# Altium PCB Board.PcbDoc (part 2 of 15) (continued)
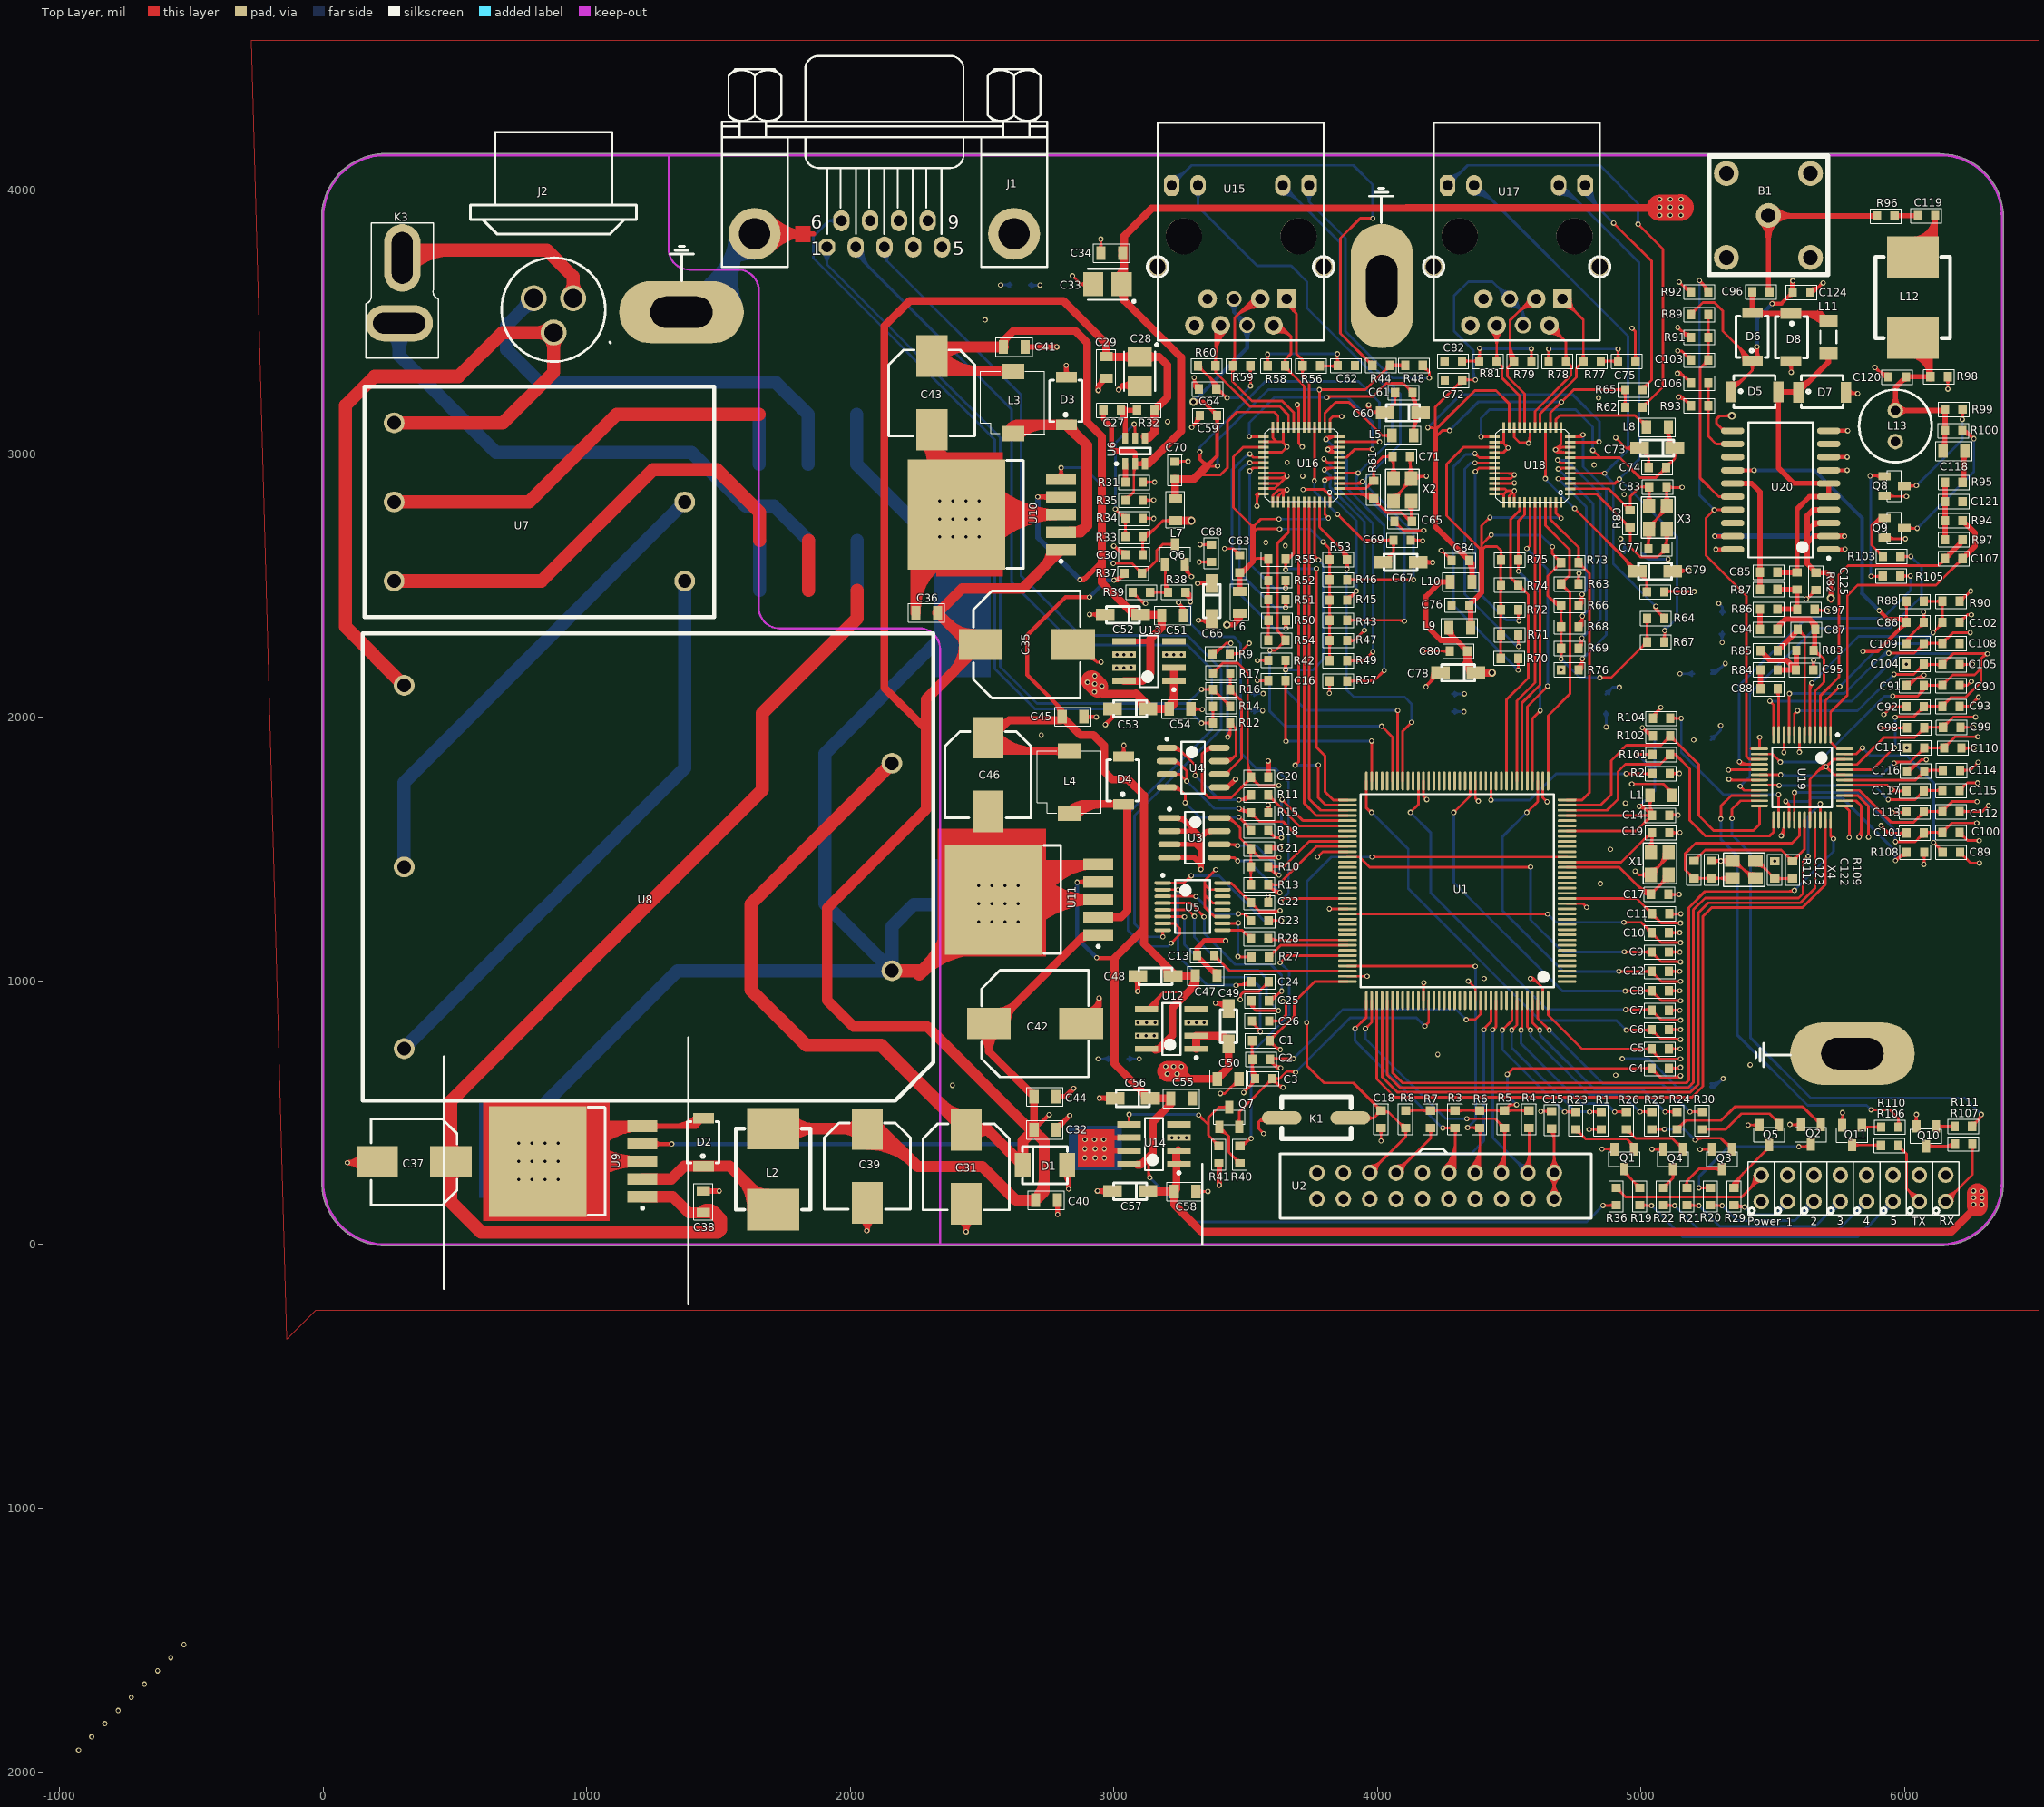
[diagram p0: Top Layer view]
## Nets (pads, with @x,y where several pads share a name; then routed paths per layer and width w, separated by ;. In a path a pad name is that pad's centre, name@x,y a point inside that pad or via, vN(x,y) a via of type N, cw(c..) or ccw(c..) an arc to the next point about the centre after c; other vN are vias at no path point) (continued)
  Top Layer w30: C70.1@3231.6,2904.45 C70.1@3232.6,2903.45 ; L7.2@3232.6,2829.13 C70.1@3232.6,2903.45 ; 3352.6,2953.45 3319.6,2920.45 3302.6,2903.45 C70.1@3232.6,2903.45
  Bottom Layer w10: v1(3325.6,3007.45) 3325.6,3025.45 3574.6,3274.45 3928.6,3274.45 4007.6,3195.45 v1(4007.6,3045.45) ; v1(3393.6,2953.45) 3393.6,3051.45 3585.6,3243.45 v1(3779.6,3243.45) ; v1@3322.06,3010.98 ccw(c3313.53,3019.52) 3325.6,3019.52 ; v1@3322.06,3010.98 ccw(c3313.53,3019.52) 3325.6,3019.52 ; v1@3322.06,3010.98 ccw(c3313.53,3019.52) 3325.6,3019.52 ; 3325.6,3019.52 ccw(c3337.67,3019.52) v1@3329.13,3010.98 ; 3325.6,3019.52 ccw(c3337.67,3019.52) v1@3329.13,3010.98 ; 3325.6,3019.52 ccw(c3337.67,3019.52) v1@3329.13,3010.98 ; v1@3390.06,2956.98 ccw(c3381.53,2965.52) 3393.6,2965.52 ; v1@3390.06,2956.98 ccw(c3381.53,2965.52) 3393.6,2965.52 ; v1@3390.06,2956.98 ccw(c3381.53,2965.52) 3393.6,2965.52 ; 3393.6,2965.52 ccw(c3405.67,2965.52) v1@3397.13,2956.98 ; 3393.6,2965.52 ccw(c3405.67,2965.52) v1@3397.13,2956.98 ; 3393.6,2965.52 ccw(c3405.67,2965.52) v1@3397.13,2956.98 ; 3767.53,3243.45 cw(c3767.53,3231.38) v1@3776.06,3239.91 ; 3767.53,3243.45 ccw(c3767.53,3255.52) v1@3776.06,3246.98 ; 3767.53,3243.45 cw(c3767.53,3231.38) v1@3776.06,3239.91 ; 3767.53,3243.45 ccw(c3767.53,3255.52) v1@3776.06,3246.98 ; 3767.53,3243.45 ccw(c3767.53,3255.52) v1@3776.06,3246.98 ; 3767.53,3243.45 cw(c3767.53,3231.38) v1@3776.06,3239.91 ; v1@4004.06,3048.98 ccw(c3995.53,3057.52) 4007.6,3057.52 ; v1@4004.06,3048.98 ccw(c3995.53,3057.52) 4007.6,3057.52 ; v1@4004.06,3048.98 ccw(c3995.53,3057.52) 4007.6,3057.52 ; 4007.6,3057.52 ccw(c4019.67,3057.52) v1@4011.13,3048.98 ; 4007.6,3057.52 ccw(c4019.67,3057.52) v1@4011.13,3048.98 ; 4007.6,3057.52 ccw(c4019.67,3057.52) v1@4011.13,3048.98
  Bottom Layer w15: v2(3301.6,3197.45) 3505.35,3401.21 U15.4@3505.35,3487.8 3455.35,3537.8 ; U15.5@3455.35,3587.8 3455.35,3537.8 ; v2@3301.6,3204.95 ccw(c3301.6,3223.06) 3314.4,3210.25 ; v2@3301.6,3204.95 ccw(c3301.6,3223.06) 3314.4,3210.25 ; v2@3301.6,3204.95 ccw(c3301.6,3223.06) 3314.4,3210.25 ; v2@3309.1,3197.45 cw(c3327.2,3197.45) 3314.4,3210.25 ; v2@3309.1,3197.45 cw(c3327.2,3197.45) 3314.4,3210.25 ; v2@3309.1,3197.45 cw(c3327.2,3197.45) 3314.4,3210.25 ; U15.5@3440.49,3571.54 cw(c3409.63,3537.8) 3455.35,3537.8 ; U15.5@3440.49,3571.54 cw(c3409.63,3537.8) 3455.35,3537.8 ; U15.5@3440.49,3571.54 cw(c3409.63,3537.8) 3455.35,3537.8 ; 3455.35,3537.8 cw(c3501.08,3537.8) U15.5@3470.22,3571.54 ; 3455.35,3537.8 cw(c3501.08,3537.8) U15.5@3470.22,3571.54 ; 3455.35,3537.8 cw(c3501.08,3537.8) U15.5@3470.22,3571.54 ; 3467.75,3525.4 cw(c3430.15,3487.8) U15.4@3483.33,3487.8 ; 3467.75,3525.4 ccw(c3505.35,3563) U15.4@3505.35,3509.82 ; 3467.75,3525.4 cw(c3430.15,3487.8) U15.4@3483.33,3487.8 ; 3467.75,3525.4 ccw(c3505.35,3563) U15.4@3505.35,3509.82 ; 3467.75,3525.4 ccw(c3505.35,3563) U15.4@3505.35,3509.82 ; 3467.75,3525.4 cw(c3430.15,3487.8) U15.4@3483.33,3487.8 ; U15.4@3489.78,3472.22 cw(c3452.18,3434.62) 3505.35,3434.62 ; U15.4@3489.78,3472.22 cw(c3452.18,3434.62) 3505.35,3434.62 ; U15.4@3489.78,3472.22 cw(c3452.18,3434.62) 3505.35,3434.62 ; 3505.35,3434.62 cw(c3558.53,3434.62) U15.4@3520.93,3472.22 ; 3505.35,3434.62 cw(c3558.53,3434.62) U15.4@3520.93,3472.22 ; 3505.35,3434.62 cw(c3558.53,3434.62) U15.4@3520.93,3472.22
3V3A2: C72.1 C84.1 L10.2 R62.2 R65.2 U17.4 U17.5 U18.11 U18.15 U18.23 | length 6698
  Top Layer w10: v1(4190.6,3099.45) 4208.6,3099.45 4218.6,3089.45 ; 4218.6,3066.45 4223.6,3066.45 4245.6,3088.45 v1(4273.6,3088.45) ; v1(4371.6,3280.45) 4322.6,3280.45 C72.1@4321.6,3279.45 4218.6,3176.45 4218.6,3089.45 ; U18.23@4499.02,3099.72 4499.02,3191.03 4449.6,3240.45 4369.6,3240.45 4218.6,3089.45 ; U18.15@4656.5,3099.72 4656.5,3155.35 v1(4697.6,3196.45) 4744.6,3243.45 R65.2@4939.6,3243.45 R62.2@4939.6,3176.45 ; U18.11@4731.6,3044.31 v1@4840.6,3044.31 ; v1@4194.13,3095.91 cw(c4202.67,3087.38) 4202.67,3099.45 ; v1@4194.13,3095.91 cw(c4202.67,3087.38) 4202.67,3099.45 ; v1@4194.13,3095.91 cw(c4202.67,3087.38) 4202.67,3099.45 ; v1@4194.13,3102.98 ccw(c4202.67,3111.52) 4202.67,3099.45 ; v1@4194.13,3102.98 ccw(c4202.67,3111.52) 4202.67,3099.45 ; v1@4194.13,3102.98 ccw(c4202.67,3111.52) 4202.67,3099.45 ; 4261.53,3088.45 cw(c4261.53,3076.38) v1@4270.06,3084.91 ; 4261.53,3088.45 ccw(c4261.53,3100.52) v1@4270.06,3091.98 ; 4261.53,3088.45 cw(c4261.53,3076.38) v1@4270.06,3084.91 ; 4261.53,3088.45 ccw(c4261.53,3100.52) v1@4270.06,3091.98 ; 4261.53,3088.45 ccw(c4261.53,3100.52) v1@4270.06,3091.98 ; 4261.53,3088.45 cw(c4261.53,3076.38) v1@4270.06,3084.91 ; 4299.89,3257.74 cw(c4321.6,3236.03) C72.1@4321.6,3266.73 ; 4299.89,3257.74 cw(c4321.6,3236.03) C72.1@4321.6,3266.73 ; 4299.89,3257.74 cw(c4321.6,3236.03) C72.1@4321.6,3266.73 ; 4304.64,3262.49 ccw(c4289.65,3277.48) C72.1@4310.85,3277.48 ; 4304.64,3262.49 ccw(c4289.65,3277.48) C72.1@4310.85,3277.48 ; 4304.64,3262.49 ccw(c4289.65,3277.48) C72.1@4310.85,3277.48 ; C72.1@4329.2,3273.82 cw(c4345.21,3257.81) 4345.21,3280.45 ; C72.1@4329.2,3273.82 cw(c4345.21,3257.81) 4345.21,3280.45 ; C72.1@4329.2,3273.82 cw(c4345.21,3257.81) 4345.21,3280.45 ; C72.1@4329.2,3289.02 ccw(c4349.88,3309.7) 4349.88,3280.45 ; C72.1@4329.2,3289.02 ccw(c4349.88,3309.7) 4349.88,3280.45 ; C72.1@4329.2,3289.02 ccw(c4349.88,3309.7) 4349.88,3280.45 ; 4359.53,3280.45 cw(c4359.53,3268.38) v1@4368.06,3276.91 ; 4359.53,3280.45 ccw(c4359.53,3292.52) v1@4368.06,3283.98 ; 4359.53,3280.45 cw(c4359.53,3268.38) v1@4368.06,3276.91 ; 4359.53,3280.45 ccw(c4359.53,3292.52) v1@4368.06,3283.98 ; 4359.53,3280.45 ccw(c4359.53,3292.52) v1@4368.06,3283.98 ; 4359.53,3280.45 cw(c4359.53,3268.38) v1@4368.06,3276.91 ; 4689.06,3187.91 cw(c4697.6,3179.38) v1@4697.6,3191.45 ; 4689.06,3187.91 ccw(c4680.53,3196.45) v1@4692.6,3196.45 ; 4689.06,3187.91 cw(c4697.6,3179.38) v1@4697.6,3191.45 ; 4689.06,3187.91 ccw(c4680.53,3196.45) v1@4692.6,3196.45 ; 4689.06,3187.91 ccw(c4680.53,3196.45) v1@4692.6,3196.45 ; 4689.06,3187.91 cw(c4697.6,3179.38) v1@4697.6,3191.45 ; v1@4697.6,3201.45 ccw(c4697.6,3213.52) 4706.13,3204.98 ; v1@4697.6,3201.45 ccw(c4697.6,3213.52) 4706.13,3204.98 ; v1@4697.6,3201.45 ccw(c4697.6,3213.52) 4706.13,3204.98 ; v1@4702.6,3196.45 cw(c4714.67,3196.45) 4706.13,3204.98 ; v1@4702.6,3196.45 cw(c4714.67,3196.45) 4706.13,3204.98 ; v1@4702.6,3196.45 cw(c4714.67,3196.45) 4706.13,3204.98 ; 4825.77,3044.31 ccw(c4825.77,3060.27) v1@4837.06,3048.98 ; 4825.77,3044.31 ccw(c4825.77,3060.27) v1@4837.06,3048.98 ; 4825.77,3044.31 ccw(c4825.77,3060.27) v1@4837.06,3048.98 ; 4913.65,3243.45 cw(c4913.65,3217.5) R65.2@4932,3235.85 ; 4913.65,3243.45 ccw(c4913.65,3269.4) R65.2@4932,3251.05 ; 4913.65,3243.45 cw(c4913.65,3217.5) R65.2@4932,3235.85 ; 4913.65,3243.45 ccw(c4913.65,3269.4) R65.2@4932,3251.05 ; 4913.65,3243.45 ccw(c4913.65,3269.4) R65.2@4932,3251.05 ; 4913.65,3243.45 cw(c4913.65,3217.5) R65.2@4932,3235.85 ; R62.2@4932,3186.02 ccw(c4913.65,3204.37) 4939.6,3204.37 ; R62.2@4932,3186.02 ccw(c4913.65,3204.37) 4939.6,3204.37 ; R62.2@4932,3186.02 ccw(c4913.65,3204.37) 4939.6,3204.37 ; R65.2@4932,3233.88 cw(c4913.65,3215.53) 4939.6,3215.53 ; R65.2@4932,3233.88 cw(c4913.65,3215.53) 4939.6,3215.53 ; R65.2@4932,3233.88 cw(c4913.65,3215.53) 4939.6,3215.53 ; 4939.6,3204.37 ccw(c4965.55,3204.37) R62.2@4947.2,3186.02 ; 4939.6,3204.37 ccw(c4965.55,3204.37) R62.2@4947.2,3186.02 ; 4939.6,3204.37 ccw(c4965.55,3204.37) R62.2@4947.2,3186.02 ; 4939.6,3215.53 cw(c4965.55,3215.53) R65.2@4947.2,3233.88 ; 4939.6,3215.53 cw(c4965.55,3215.53) R65.2@4947.2,3233.88 ; 4939.6,3215.53 cw(c4965.55,3215.53) R65.2@4947.2,3233.88
  Top Layer w20: 4218.6,3089.45 4218.6,3066.45 4218.6,2724.45 C84.1@4347.6,2595.45 4358.28,2584.77 L10.2@4358.28,2514.45 ; C84.1@4334.43,2608.62 ccw(c4347.6,2621.79) C84.1@4347.6,2603.17 ; C84.1@4334.43,2608.62 ccw(c4347.6,2621.79) C84.1@4347.6,2603.17 ; C84.1@4334.43,2608.62 ccw(c4347.6,2621.79) C84.1@4347.6,2603.17 ; C84.1@4343.53,2589.42 cw(c4307.94,2553.83) 4358.28,2553.83 ; C84.1@4343.53,2589.42 cw(c4307.94,2553.83) 4358.28,2553.83 ; C84.1@4343.53,2589.42 cw(c4307.94,2553.83) 4358.28,2553.83 ; L10.2@4352.82,2527.78 ccw(c4339.65,2540.95) 4358.28,2540.95 ; L10.2@4352.82,2527.78 ccw(c4339.65,2540.95) 4358.28,2540.95 ; L10.2@4352.82,2527.78 ccw(c4339.65,2540.95) 4358.28,2540.95 ; 4358.28,2540.95 ccw(c4376.9,2540.95) L10.2@4363.73,2527.78 ; 4358.28,2540.95 ccw(c4376.9,2540.95) L10.2@4363.73,2527.78 ; 4358.28,2540.95 ccw(c4376.9,2540.95) L10.2@4363.73,2527.78
  Bottom Layer w10: v1(4190.6,3099.45) 4316.6,3225.45 4739.6,3225.45 4841.6,3123.45 v1@4841.6,3044.31 ; v1(4273.6,3088.45) 4381.6,3196.45 v1(4697.6,3196.45) ; v1(4371.6,3280.45) 4364.6,3287.45 4364.6,3391.45 4290.6,3465.45 4290.6,3599.45 4344.6,3653.45 4436.43,3653.45 U17.5@4502.09,3587.8 4552.09,3537.8 ; U17.4@4552.09,3487.8 4552.09,3537.8 ; v1@4190.6,3104.45 ccw(c4190.6,3116.52) 4199.13,3107.98 ; v1@4190.6,3104.45 ccw(c4190.6,3116.52) 4199.13,3107.98 ; v1@4190.6,3104.45 ccw(c4190.6,3116.52) 4199.13,3107.98 ; v1@4195.6,3099.45 cw(c4207.67,3099.45) 4199.13,3107.98 ; v1@4195.6,3099.45 cw(c4207.67,3099.45) 4199.13,3107.98 ; v1@4195.6,3099.45 cw(c4207.67,3099.45) 4199.13,3107.98 ; v1@4273.6,3093.45 ccw(c4273.6,3105.52) 4282.13,3096.98 ; v1@4273.6,3093.45 ccw(c4273.6,3105.52) 4282.13,3096.98 ; v1@4273.6,3093.45 ccw(c4273.6,3105.52) 4282.13,3096.98 ; v1@4278.6,3088.45 cw(c4290.67,3088.45) 4282.13,3096.98 ; v1@4278.6,3088.45 cw(c4290.67,3088.45) 4282.13,3096.98 ; v1@4278.6,3088.45 cw(c4290.67,3088.45) 4282.13,3096.98 ; 4364.6,3309.42 ccw(c4400.57,3309.42) v1@4375.13,3283.98 ; 4364.6,3309.42 ccw(c4400.57,3309.42) v1@4375.13,3283.98 ; 4364.6,3309.42 ccw(c4400.57,3309.42) v1@4375.13,3283.98 ; 4456.86,3633.03 cw(c4411.62,3587.8) U17.5@4475.59,3587.8 ; 4456.86,3633.03 ccw(c4502.09,3678.26) U17.5@4502.09,3614.29 ; 4456.86,3633.03 cw(c4411.62,3587.8) U17.5@4475.59,3587.8 ; 4456.86,3633.03 ccw(c4502.09,3678.26) U17.5@4502.09,3614.29 ; 4456.86,3633.03 ccw(c4502.09,3678.26) U17.5@4502.09,3614.29 ; 4456.86,3633.03 cw(c4411.62,3587.8) U17.5@4475.59,3587.8 ; 4473.93,3615.96 cw(c4445.77,3587.8) U17.5@4485.59,3587.8 ; 4473.93,3615.96 ccw(c4502.09,3644.12) U17.5@4502.09,3604.29 ; 4473.93,3615.96 cw(c4445.77,3587.8) U17.5@4485.59,3587.8 ; 4473.93,3615.96 ccw(c4502.09,3644.12) U17.5@4502.09,3604.29 ; 4473.93,3615.96 ccw(c4502.09,3644.12) U17.5@4502.09,3604.29 ; 4473.93,3615.96 cw(c4445.77,3587.8) U17.5@4485.59,3587.8 ; U17.5@4502.09,3561.3 cw(c4502.09,3497.33) 4547.32,3542.56 ; U17.5@4502.09,3561.3 cw(c4502.09,3497.33) 4547.32,3542.56 ; U17.5@4502.09,3561.3 cw(c4502.09,3497.33) 4547.32,3542.56 ; U17.5@4502.09,3571.3 cw(c4502.09,3531.47) 4530.25,3559.64 ; U17.5@4502.09,3571.3 cw(c4502.09,3531.47) 4530.25,3559.64 ; U17.5@4502.09,3571.3 cw(c4502.09,3531.47) 4530.25,3559.64 ; U17.5@4518.58,3587.8 ccw(c4558.41,3587.8) 4530.25,3559.64 ; U17.5@4518.58,3587.8 ccw(c4558.41,3587.8) 4530.25,3559.64 ; U17.5@4518.58,3587.8 ccw(c4558.41,3587.8) 4530.25,3559.64 ; U17.5@4528.58,3587.8 ccw(c4592.55,3587.8) 4547.32,3542.56 ; U17.5@4528.58,3587.8 ccw(c4592.55,3587.8) 4547.32,3542.56 ; U17.5@4528.58,3587.8 ccw(c4592.55,3587.8) 4547.32,3542.56 ; U17.4@4537.21,3509.72 ccw(c4518.16,3537.79) 4552.09,3537.79 ; U17.4@4537.21,3509.72 ccw(c4518.16,3537.79) 4552.09,3537.79 ; U17.4@4537.21,3509.72 ccw(c4518.16,3537.79) 4552.09,3537.79 ; 4552.09,3537.79 ccw(c4586.01,3537.79) U17.4@4566.96,3509.72 ; 4552.09,3537.79 ccw(c4586.01,3537.79) U17.4@4566.96,3509.72 ; 4552.09,3537.79 ccw(c4586.01,3537.79) U17.4@4566.96,3509.72 ; 4685.53,3196.45 cw(c4685.53,3184.38) v1@4694.06,3192.91 ; 4685.53,3196.45 ccw(c4685.53,3208.52) v1@4694.06,3199.98 ; 4685.53,3196.45 cw(c4685.53,3184.38) v1@4694.06,3192.91 ; 4685.53,3196.45 ccw(c4685.53,3208.52) v1@4694.06,3199.98 ; 4685.53,3196.45 ccw(c4685.53,3208.52) v1@4694.06,3199.98 ; 4685.53,3196.45 cw(c4685.53,3184.38) v1@4694.06,3192.91 ; v1@4837.06,3048.98 ccw(c4826.11,3059.93) 4841.6,3059.93 ; v1@4837.06,3048.98 ccw(c4826.11,3059.93) 4841.6,3059.93 ; v1@4837.06,3048.98 ccw(c4826.11,3059.93) 4841.6,3059.93
  other v1: 4840.6,3045.45
3V3D1: C63.1 L6.2 R43.1 R45.1 R46.1 R47.1 R49.1 R50.1 R51.1 R52.1 R53.1 R54.1 R55.1 U16.27 U16.47 | length 5232.3
  Top Layer w10: 3527.6,2590.45 3540.6,2603.45 3582.6,2603.45 R55.1@3585.6,2600.45 R51.1@3585.6,2446.78 R54.1@3585.6,2293.12 ; 3527.6,2700.45 3542.6,2715.45 3627.6,2715.45 v1(3628.6,2714.45) ; U16.27@3567.6,3025.62 3490.77,3025.62 3453.6,2988.45 3453.6,2796.45 3527.6,2722.45 3557.6,2752.45 v1(3626.6,2752.45) ; v1(3793.6,2665.45) 3818.6,2640.45 R53.1@3818.6,2598.45 3818.75,2598.3 R46.1@3818.75,2522.15 R45.1@3818.75,2445.41 R43.1@3818.75,2368.67 R47.1@3818.75,2291.93 R49.1@3818.75,2215.19 ; U16.47@3800.18,2816.72 3800.18,2769.87 v1(3813.6,2756.45) ; 3557.16,2603.45 cw(c3557.16,2573.98) R55.1@3578,2594.82 ; 3557.16,2603.45 cw(c3557.16,2573.98) R55.1@3578,2594.82 ; 3557.16,2603.45 cw(c3557.16,2573.98) R55.1@3578,2594.82 ; 3562.14,2603.45 ccw(c3562.14,2625.87) R55.1@3578,2610.02 ; 3562.14,2603.45 ccw(c3562.14,2625.87) R55.1@3578,2610.02 ; 3562.14,2603.45 ccw(c3562.14,2625.87) R55.1@3578,2610.02 ; R54.1@3578,2302.68 ccw(c3559.65,2321.03) 3585.6,2321.03 ; R54.1@3578,2302.68 ccw(c3559.65,2321.03) 3585.6,2321.03 ; R54.1@3578,2302.68 ccw(c3559.65,2321.03) 3585.6,2321.03 ; R51.1@3578,2437.21 cw(c3559.65,2418.87) 3585.6,2418.87 ; R51.1@3578,2437.21 cw(c3559.65,2418.87) 3585.6,2418.87 ; R51.1@3578,2437.21 cw(c3559.65,2418.87) 3585.6,2418.87 ; R51.1@3578,2456.35 ccw(c3559.65,2474.7) 3585.6,2474.7 ; R51.1@3578,2456.35 ccw(c3559.65,2474.7) 3585.6,2474.7 ; R51.1@3578,2456.35 ccw(c3559.65,2474.7) 3585.6,2474.7 ; R52.1@3578,2509.88 cw(c3559.65,2491.53) 3585.6,2491.53 ; R52.1@3578,2509.88 cw(c3559.65,2491.53) 3585.6,2491.53 ; R52.1@3578,2509.88 cw(c3559.65,2491.53) 3585.6,2491.53 ; R52.1@3578,2529.02 ccw(c3559.65,2547.37) 3585.6,2547.37 ; R52.1@3578,2529.02 ccw(c3559.65,2547.37) 3585.6,2547.37 ; R52.1@3578,2529.02 ccw(c3559.65,2547.37) 3585.6,2547.37 ; R55.1@3578,2590.88 cw(c3559.65,2572.53) 3585.6,2572.53 ; R55.1@3578,2590.88 cw(c3559.65,2572.53) 3585.6,2572.53 ; R55.1@3578,2590.88 cw(c3559.65,2572.53) 3585.6,2572.53 ; R50.1@3579,2358.88 cw(c3563.06,2342.95) 3585.6,2342.95 ; R50.1@3579,2358.88 cw(c3563.06,2342.95) 3585.6,2342.95 ; R50.1@3579,2358.88 cw(c3563.06,2342.95) 3585.6,2342.95 ; R50.1@3579,2378.02 ccw(c3563.06,2393.95) 3585.6,2393.95 ; R50.1@3579,2378.02 ccw(c3563.06,2393.95) 3585.6,2393.95 ; R50.1@3579,2378.02 ccw(c3563.06,2393.95) 3585.6,2393.95 ; 3585.6,2321.03 ccw(c3611.55,2321.03) R54.1@3593.2,2302.68 ; 3585.6,2321.03 ccw(c3611.55,2321.03) R54.1@3593.2,2302.68 ; 3585.6,2321.03 ccw(c3611.55,2321.03) R54.1@3593.2,2302.68 ; 3585.6,2338.12 cw(c3614.96,2338.12) R50.1@3594.2,2358.88 ; 3585.6,2338.12 cw(c3614.96,2338.12) R50.1@3594.2,2358.88 ; 3585.6,2338.12 cw(c3614.96,2338.12) R50.1@3594.2,2358.88 ; 3585.6,2398.78 ccw(c3614.96,2398.78) R50.1@3594.2,2378.02 ; 3585.6,2398.78 ccw(c3614.96,2398.78) R50.1@3594.2,2378.02 ; 3585.6,2398.78 ccw(c3614.96,2398.78) R50.1@3594.2,2378.02 ; 3585.6,2418.87 cw(c3611.55,2418.87) R51.1@3593.2,2437.21 ; 3585.6,2418.87 cw(c3611.55,2418.87) R51.1@3593.2,2437.21 ; 3585.6,2418.87 cw(c3611.55,2418.87) R51.1@3593.2,2437.21 ; 3585.6,2474.7 ccw(c3611.55,2474.7) R51.1@3593.2,2456.35 ; 3585.6,2474.7 ccw(c3611.55,2474.7) R51.1@3593.2,2456.35 ; 3585.6,2474.7 ccw(c3611.55,2474.7) R51.1@3593.2,2456.35 ; 3585.6,2491.53 cw(c3611.55,2491.53) R52.1@3593.2,2509.88 ; 3585.6,2491.53 cw(c3611.55,2491.53) R52.1@3593.2,2509.88 ; 3585.6,2491.53 cw(c3611.55,2491.53) R52.1@3593.2,2509.88 ; 3585.6,2547.37 ccw(c3611.55,2547.37) R52.1@3593.2,2529.02 ; 3585.6,2547.37 ccw(c3611.55,2547.37) R52.1@3593.2,2529.02 ; 3585.6,2547.37 ccw(c3611.55,2547.37) R52.1@3593.2,2529.02 ; 3585.6,2572.53 cw(c3611.55,2572.53) R55.1@3593.2,2590.88 ; 3585.6,2572.53 cw(c3611.55,2572.53) R55.1@3593.2,2590.88 ; 3585.6,2572.53 cw(c3611.55,2572.53) R55.1@3593.2,2590.88 ; 3614.11,2715.45 cw(c3614.11,2699.96) v1@3625.06,2710.91 ; 3614.11,2715.45 cw(c3614.11,2699.96) v1@3625.06,2710.91 ; 3614.11,2715.45 cw(c3614.11,2699.96) v1@3625.06,2710.91 ; 3614.53,2752.45 cw(c3614.53,2740.38) v1@3623.06,2748.91 ; 3614.53,2752.45 ccw(c3614.53,2764.52) v1@3623.06,2755.98 ; 3614.53,2752.45 cw(c3614.53,2740.38) v1@3623.06,2748.91 ; 3614.53,2752.45 ccw(c3614.53,2764.52) v1@3623.06,2755.98 ; 3614.53,2752.45 ccw(c3614.53,2764.52) v1@3623.06,2755.98 ; 3614.53,2752.45 cw(c3614.53,2740.38) v1@3623.06,2748.91 ; v1@3793.6,2660.45 cw(c3793.6,2648.38) 3802.13,2656.91 ; v1@3793.6,2660.45 cw(c3793.6,2648.38) 3802.13,2656.91 ; v1@3793.6,2660.45 cw(c3793.6,2648.38) 3802.13,2656.91 ; v1@3798.6,2665.45 ccw(c3810.67,2665.45) 3802.13,2656.91 ; v1@3798.6,2665.45 ccw(c3810.67,2665.45) 3802.13,2656.91 ; v1@3798.6,2665.45 ccw(c3810.67,2665.45) 3802.13,2656.91 ; 3805.06,2764.98 cw(c3796.53,2756.45) v1@3808.6,2756.45 ; 3805.06,2764.98 ccw(c3813.6,2773.52) v1@3813.6,2761.45 ; 3805.06,2764.98 cw(c3796.53,2756.45) v1@3808.6,2756.45 ; 3805.06,2764.98 ccw(c3813.6,2773.52) v1@3813.6,2761.45 ; 3805.06,2764.98 ccw(c3813.6,2773.52) v1@3813.6,2761.45 ; 3805.06,2764.98 cw(c3796.53,2756.45) v1@3808.6,2756.45 ; R53.1@3811,2588.88 cw(c3792.29,2570.17) 3818.75,2570.17 ; R53.1@3811,2588.88 cw(c3792.29,2570.17) 3818.75,2570.17 ; R53.1@3811,2588.88 cw(c3792.29,2570.17) 3818.75,2570.17 ; R53.1@3811,2608.02 ccw(c3792.65,2626.37) 3818.6,2626.37 ; R53.1@3811,2608.02 ccw(c3792.65,2626.37) 3818.6,2626.37 ; R53.1@3811,2608.02 ccw(c3792.65,2626.37) 3818.6,2626.37 ; R49.1@3811.15,2224.76 ccw(c3792.8,2243.11) 3818.75,2243.11 ; R49.1@3811.15,2224.76 ccw(c3792.8,2243.11) 3818.75,2243.11 ; R49.1@3811.15,2224.76 ccw(c3792.8,2243.11) 3818.75,2243.11 ; R47.1@3811.15,2282.36 cw(c3792.8,2264.01) 3818.75,2264.01 ; R47.1@3811.15,2282.36 cw(c3792.8,2264.01) 3818.75,2264.01 ; R47.1@3811.15,2282.36 cw(c3792.8,2264.01) 3818.75,2264.01 ; R47.1@3811.15,2301.5 ccw(c3792.8,2319.85) 3818.75,2319.85 ; R47.1@3811.15,2301.5 ccw(c3792.8,2319.85) 3818.75,2319.85 ; R47.1@3811.15,2301.5 ccw(c3792.8,2319.85) 3818.75,2319.85 ; R43.1@3811.15,2359.1 cw(c3792.8,2340.75) 3818.75,2340.75 ; R43.1@3811.15,2359.1 cw(c3792.8,2340.75) 3818.75,2340.75 ; R43.1@3811.15,2359.1 cw(c3792.8,2340.75) 3818.75,2340.75 ; R43.1@3811.15,2378.24 ccw(c3792.8,2396.59) 3818.75,2396.59 ; R43.1@3811.15,2378.24 ccw(c3792.8,2396.59) 3818.75,2396.59 ; R43.1@3811.15,2378.24 ccw(c3792.8,2396.59) 3818.75,2396.59 ; R45.1@3811.15,2435.84 cw(c3792.8,2417.49) 3818.75,2417.49 ; R45.1@3811.15,2435.84 cw(c3792.8,2417.49) 3818.75,2417.49 ; R45.1@3811.15,2435.84 cw(c3792.8,2417.49) 3818.75,2417.49 ; R45.1@3811.15,2454.98 ccw(c3792.8,2473.33) 3818.75,2473.33 ; R45.1@3811.15,2454.98 ccw(c3792.8,2473.33) 3818.75,2473.33 ; R45.1@3811.15,2454.98 ccw(c3792.8,2473.33) 3818.75,2473.33 ; R46.1@3811.15,2512.58 cw(c3792.8,2494.23) 3818.75,2494.23 ; R46.1@3811.15,2512.58 cw(c3792.8,2494.23) 3818.75,2494.23 ; R46.1@3811.15,2512.58 cw(c3792.8,2494.23) 3818.75,2494.23 ; R46.1@3811.15,2531.72 ccw(c3792.8,2550.07) 3818.75,2550.07 ; R46.1@3811.15,2531.72 ccw(c3792.8,2550.07) 3818.75,2550.07 ; R46.1@3811.15,2531.72 ccw(c3792.8,2550.07) 3818.75,2550.07 ; 3818.6,2626.37 ccw(c3844.55,2626.37) R53.1@3826.2,2608.02 ; 3818.6,2626.37 ccw(c3844.55,2626.37) R53.1@3826.2,2608.02 ; 3818.6,2626.37 ccw(c3844.55,2626.37) R53.1@3826.2,2608.02 ; 3818.75,2243.11 ccw(c3844.7,2243.11) R49.1@3826.35,2224.76 ; 3818.75,2243.11 ccw(c3844.7,2243.11) R49.1@3826.35,2224.76 ; 3818.75,2243.11 ccw(c3844.7,2243.11) R49.1@3826.35,2224.76 ; 3818.75,2264.01 cw(c3844.7,2264.01) R47.1@3826.35,2282.36 ; 3818.75,2264.01 cw(c3844.7,2264.01) R47.1@3826.35,2282.36 ; 3818.75,2264.01 cw(c3844.7,2264.01) R47.1@3826.35,2282.36 ; 3818.75,2319.85 ccw(c3844.7,2319.85) R47.1@3826.35,2301.5 ; 3818.75,2319.85 ccw(c3844.7,2319.85) R47.1@3826.35,2301.5 ; 3818.75,2319.85 ccw(c3844.7,2319.85) R47.1@3826.35,2301.5 ; 3818.75,2340.75 cw(c3844.7,2340.75) R43.1@3826.35,2359.1 ; 3818.75,2340.75 cw(c3844.7,2340.75) R43.1@3826.35,2359.1 ; 3818.75,2340.75 cw(c3844.7,2340.75) R43.1@3826.35,2359.1 ; 3818.75,2396.59 ccw(c3844.7,2396.59) R43.1@3826.35,2378.24 ; 3818.75,2396.59 ccw(c3844.7,2396.59) R43.1@3826.35,2378.24 ; 3818.75,2396.59 ccw(c3844.7,2396.59) R43.1@3826.35,2378.24 ; 3818.75,2417.49 cw(c3844.7,2417.49) R45.1@3826.35,2435.84 ; 3818.75,2417.49 cw(c3844.7,2417.49) R45.1@3826.35,2435.84 ; 3818.75,2417.49 cw(c3844.7,2417.49) R45.1@3826.35,2435.84 ; 3818.75,2473.33 ccw(c3844.7,2473.33) R45.1@3826.35,2454.98 ; 3818.75,2473.33 ccw(c3844.7,2473.33) R45.1@3826.35,2454.98 ; 3818.75,2473.33 ccw(c3844.7,2473.33) R45.1@3826.35,2454.98 ; 3818.75,2494.23 cw(c3844.7,2494.23) R46.1@3826.35,2512.58 ; 3818.75,2494.23 cw(c3844.7,2494.23) R46.1@3826.35,2512.58 ; 3818.75,2494.23 cw(c3844.7,2494.23) R46.1@3826.35,2512.58 ; 3818.75,2550.07 ccw(c3844.7,2550.07) R46.1@3826.35,2531.72 ; 3818.75,2550.07 ccw(c3844.7,2550.07) R46.1@3826.35,2531.72 ; 3818.75,2550.07 ccw(c3844.7,2550.07) R46.1@3826.35,2531.72 ; 3818.75,2570.89 cw(c3844.19,2570.89) R53.1@3826.2,2588.88 ; 3818.75,2570.89 cw(c3844.19,2570.89) R53.1@3826.2,2588.88 ; 3818.75,2570.89 cw(c3844.19,2570.89) R53.1@3826.2,2588.88
  Top Layer w20: L6.2@3477.6,2478.13 C63.1@3477.6,2549.45 3486.6,2549.45 3527.6,2590.45 3527.6,2700.45 3527.6,2722.45 ; L6.2@3472.14,2483.58 ccw(c3458.97,2496.76) 3477.6,2496.76 ; L6.2@3472.14,2483.58 ccw(c3458.97,2496.76) 3477.6,2496.76 ; L6.2@3472.14,2483.58 ccw(c3458.97,2496.76) 3477.6,2496.76 ; 3477.6,2496.76 ccw(c3496.23,2496.76) L6.2@3483.05,2483.58 ; 3477.6,2496.76 ccw(c3496.23,2496.76) L6.2@3483.05,2483.58 ; 3477.6,2496.76 ccw(c3496.23,2496.76) L6.2@3483.05,2483.58 ; C63.1@3479.57,2555.2 ccw(c3479.57,2586.05) 3501.38,2564.23 ; C63.1@3479.57,2555.2 ccw(c3479.57,2586.05) 3501.38,2564.23 ; C63.1@3479.57,2555.2 ccw(c3479.57,2586.05) 3501.38,2564.23
  Bottom Layer w10: v1(3626.6,2752.45) 3809.6,2752.45 v1(3813.6,2756.45) ; v1(3628.6,2714.45) 3744.6,2714.45 v1(3793.6,2665.45) ; v1@3630.13,2748.91 cw(c3638.67,2740.38) 3638.67,2752.45 ; v1@3630.13,2748.91 cw(c3638.67,2740.38) 3638.67,2752.45 ; v1@3630.13,2748.91 cw(c3638.67,2740.38) 3638.67,2752.45 ; v1@3630.13,2755.98 ccw(c3638.67,2764.52) 3638.67,2752.45 ; v1@3630.13,2755.98 ccw(c3638.67,2764.52) 3638.67,2752.45 ; v1@3630.13,2755.98 ccw(c3638.67,2764.52) 3638.67,2752.45 ; v1@3632.13,2710.91 cw(c3640.67,2702.38) 3640.67,2714.45 ; v1@3632.13,2710.91 cw(c3640.67,2702.38) 3640.67,2714.45 ; v1@3632.13,2710.91 cw(c3640.67,2702.38) 3640.67,2714.45 ; v1@3632.13,2717.98 ccw(c3640.67,2726.52) 3640.67,2714.45 ; v1@3632.13,2717.98 ccw(c3640.67,2726.52) 3640.67,2714.45 ; v1@3632.13,2717.98 ccw(c3640.67,2726.52) 3640.67,2714.45 ; 3785.06,2673.98 cw(c3776.53,2665.45) v1@3788.6,2665.45 ; 3785.06,2673.98 ccw(c3793.6,2682.52) v1@3793.6,2670.45 ; 3785.06,2673.98 cw(c3776.53,2665.45) v1@3788.6,2665.45 ; 3785.06,2673.98 ccw(c3793.6,2682.52) v1@3793.6,2670.45 ; 3785.06,2673.98 ccw(c3793.6,2682.52) v1@3793.6,2670.45 ; 3785.06,2673.98 cw(c3776.53,2665.45) v1@3788.6,2665.45 ; 3791.87,2752.45 ccw(c3791.87,2778.18) v1@3810.06,2759.98 ; 3791.87,2752.45 ccw(c3791.87,2778.18) v1@3810.06,2759.98 ; 3791.87,2752.45 ccw(c3791.87,2778.18) v1@3810.06,2759.98